# Altium PCB Evaluation Board.PcbDoc (part 13 of 22)
Units mm, origin at the board's own origin, x right, y up, seen from the top; angles counter-clockwise.
Board outline 200 x 200 mm, 4 copper layers (Top Layer, GND, Power, Bottom Layer), stack 1.56 mm thick; 639 components, 758 nets, 3043 pads, 1306 vias.
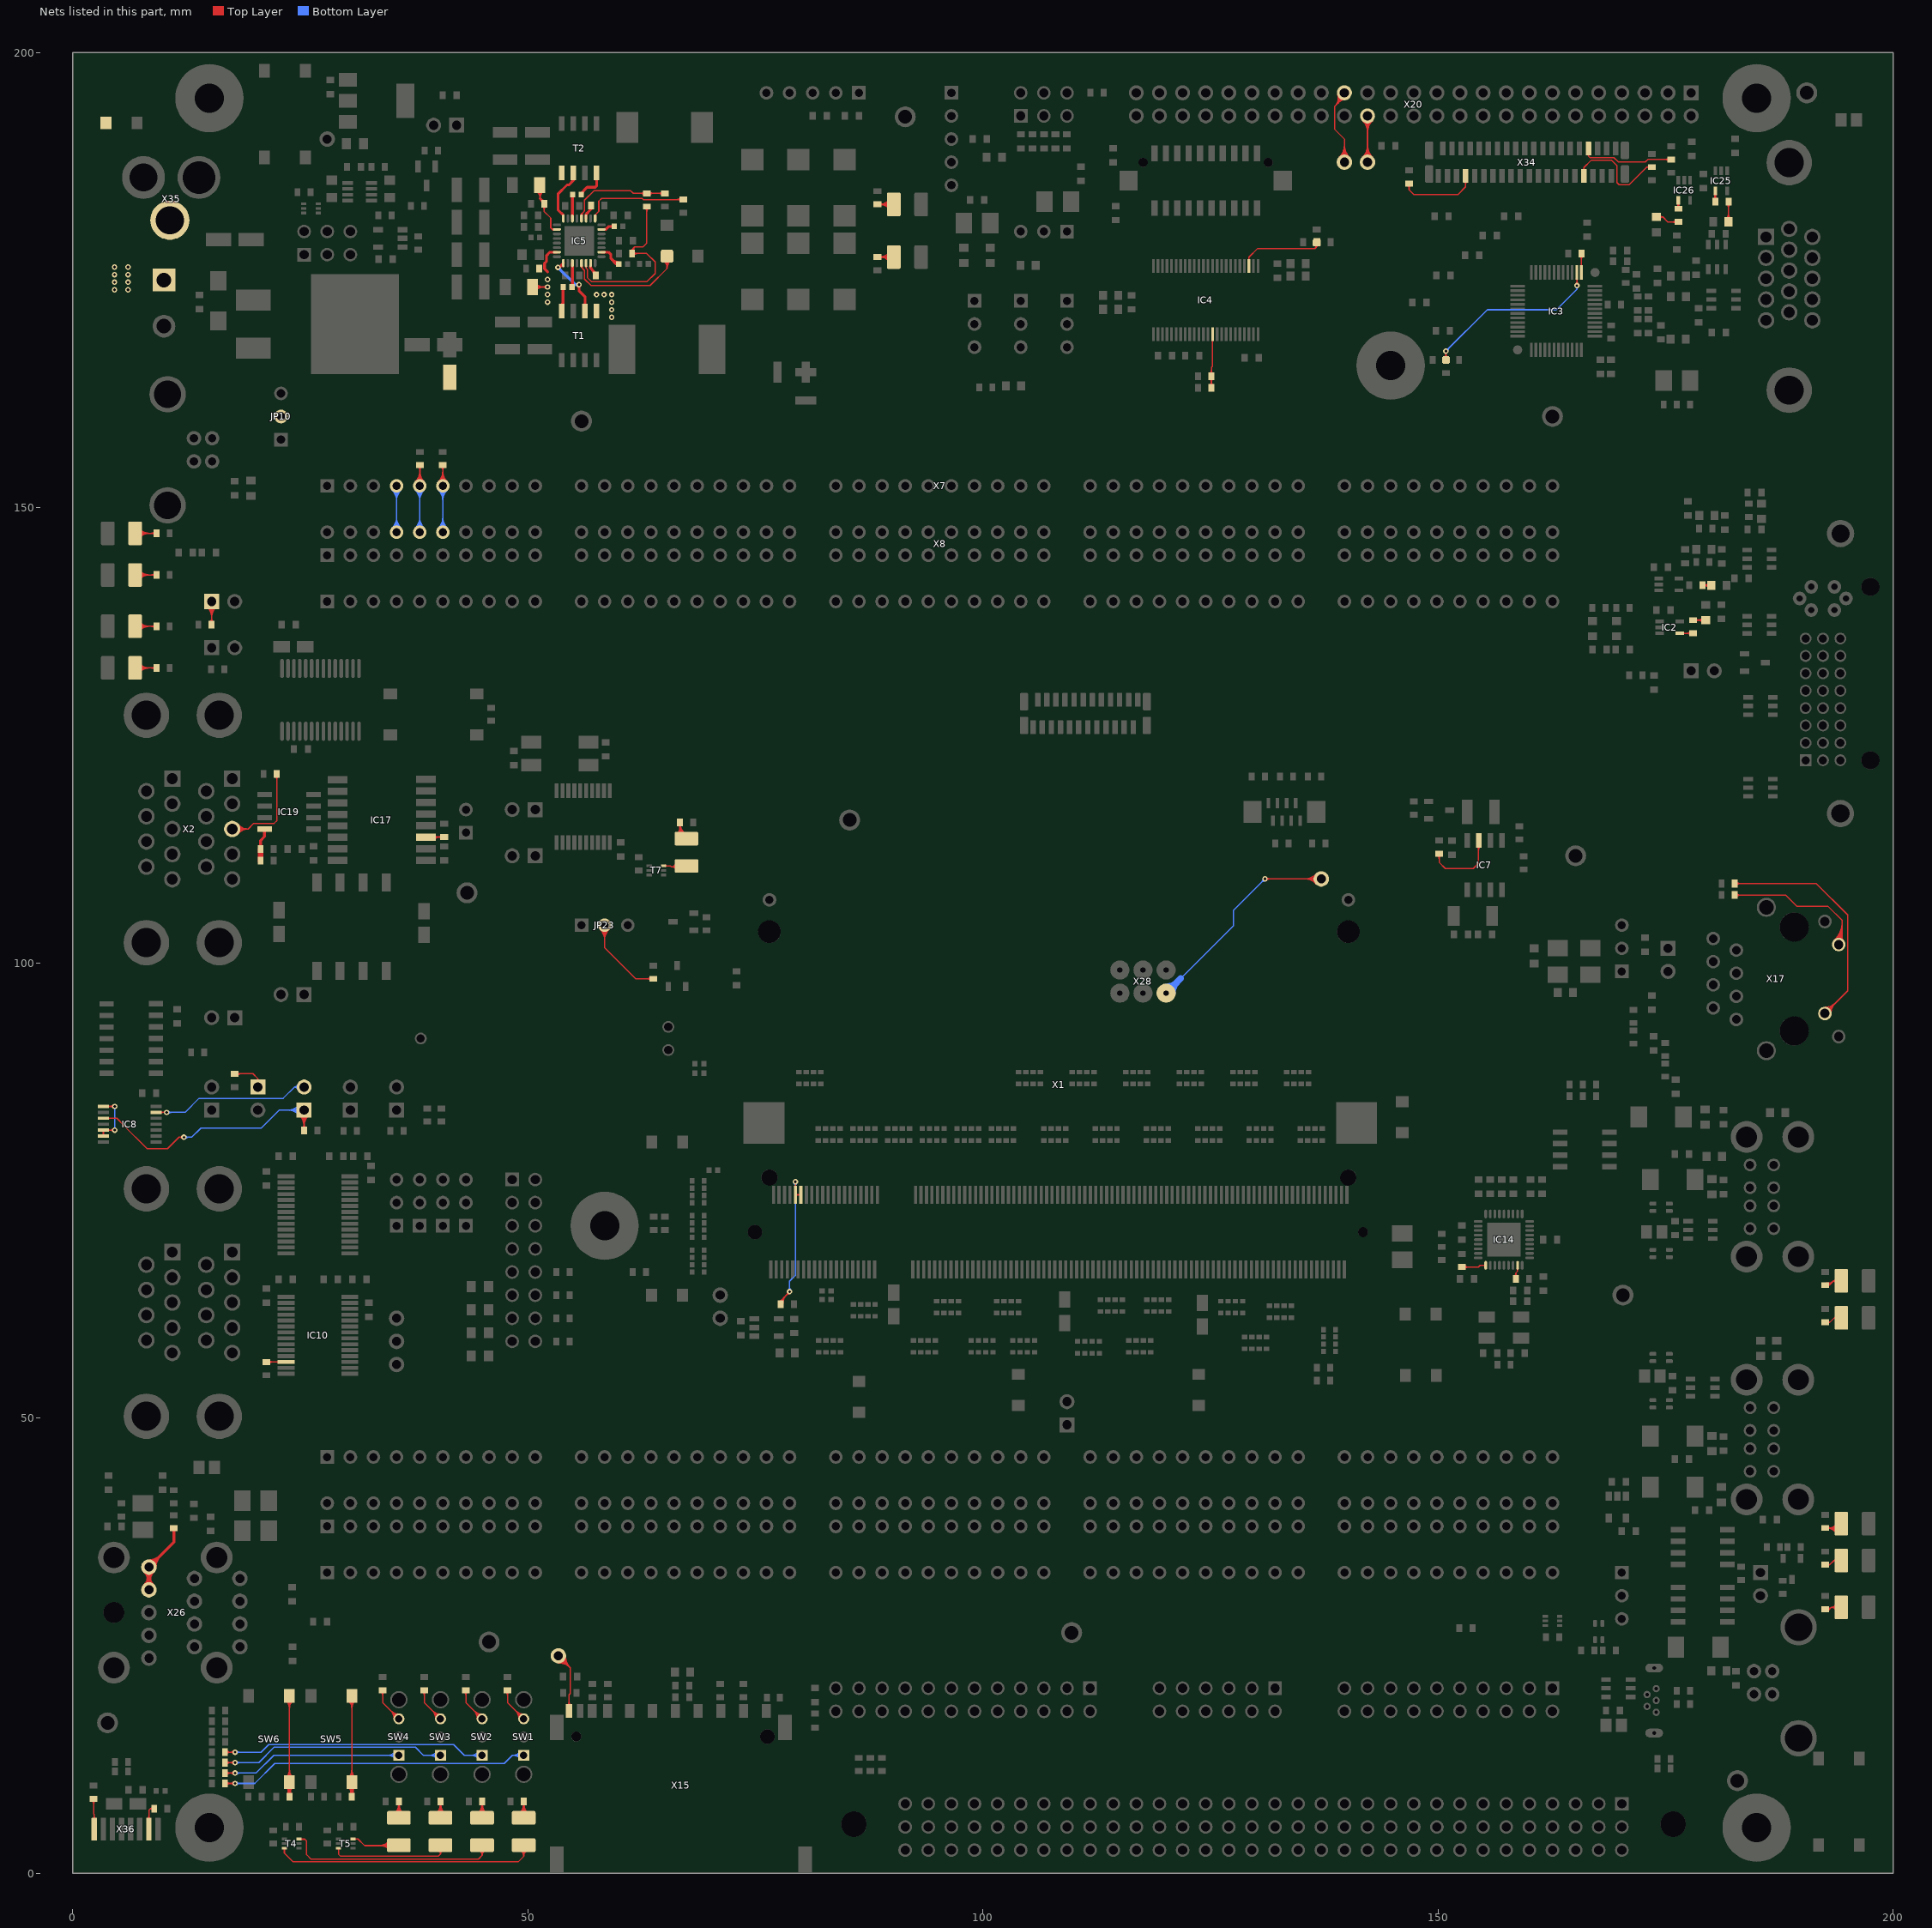
[diagram p15: the nets of this part, all layers, seen from the top]

## Via types
v1: diameter 0.6, hole 0.3, Top Layer to Bottom Layer, 1222 vias
v2: diameter 0.6, hole 0.3, Top Layer to Bottom Layer, tented both sides, 84 vias

## Nets (pads, with @x,y where several pads share a name; then routed paths per layer and width w, separated by ;. In a path a pad name is that pad's centre, name@x,y a point inside that pad or via, vN(x,y) a via of type N, cw(c..) or ccw(c..) an arc to the next point about the centre after c; other vN are vias at no path point) (continued)
NetIC2_4: IC2.4 R5.1 | length 2.9
  Top Layer w0.15: IC2.4@176.534,136.202 R5.1@177.99,136.202 ; IC2.4@176.897,136.113 cw(c177.111,135.9) 177.111,136.202 cw(c177.111,136.503) IC2.4@176.897,136.29 ; R5.1@177.713,136.025 ccw(c177.286,135.598) 177.286,136.202 ccw(c177.286,136.805) R5.1@177.713,136.378
NetIC3_37: IC3.37 R11.2 | length 3.3
  Top Layer w0.15: R11.2@165.562,177.665 cw(c165.135,177.239) 165.738,177.239 cw(c166.342,177.239) R11.2@165.915,177.665 ; IC3.37@165.678,176.545 ccw(c165.533,176.69) 165.738,176.69 ; IC3.37@165.731,175.842 165.738,175.849 R11.2@165.738,177.942 ; 165.738,176.656 ccw(c165.896,176.656) IC3.37@165.785,176.545
NetIC3_38: IC3.38 R12.2 R14.2 R185.2 | length 25.2
  Top Layer w0.15: R185.2@150.673,166.427 ccw(c150.246,166.854) 150.85,166.854 ccw(c151.454,166.854) R185.2@151.027,166.427 ; R185.2@150.85,166.333 v1(150.85,167.2) ; v2@165.091,174.559 ccw(c164.707,174.943) 165.25,174.943 ccw(c165.793,174.943) v2@165.409,174.559 ; IC3.38@165.178,175.139 cw(c165.006,174.966) 165.25,174.966 ; IC3.38@165.231,175.842 165.25,175.824 v2(165.25,174.4) ; v1@150.85,166.954 ccw(c151.454,166.954) 151.027,166.527 cw(c151.454,166.954) v1@150.85,166.954 ; v1@150.85,166.954 cw(c150.246,166.954) 150.673,166.527 ccw(c150.246,166.954) v1@150.85,166.954
  Bottom Layer w0.15: v1(150.85,167.2) 155.4,171.75 163,171.75 165.25,174 ; v1@150.85,167.425 ccw(c150.85,167.968) 151.234,167.584 ccw(c151.618,167.2) v1@151.075,167.2 ; v2@165.133,174.208 cw(c165.007,174) 165.25,174 ; v2(165.25,174.4) 165.25,174 ; v2@165.367,174.208 ccw(c165.493,174) 165.25,174
NetIC4_14: IC4.14 R27.1 R28.2 | length 9.1
  Top Layer w0.15: R27.1@124.912,163.446 ccw(c124.485,163.873) 125.089,163.873 ccw(c125.693,163.873) R27.1@125.266,163.446 ; R28.2@124.912,164.163 cw(c124.485,163.736) 125.089,163.736 cw(c125.693,163.736) R28.2@125.266,164.163 ; R28.2@124.912,164.716 ccw(c124.485,165.143) 125.089,165.143 ccw(c125.693,165.143) R28.2@125.266,164.716 ; R27.1@125.089,163.17 R28.2@125.089,164.44 125.089,165.399 125.21,165.52 IC4.14@125.21,169.046 ; IC4.14@125.157,168.393 cw(c125.029,168.265) 125.21,168.265 cw(c125.391,168.265) IC4.14@125.263,168.393
NetIC4_27: IC4.27 R29.2 R30.2 R186.2 | length 12.8
  Top Layer w0.15: IC4.27@129.157,177.199 ccw(c129.029,177.327) 129.21,177.327 ; IC4.27@129.21,176.546 129.21,177.521 130.167,178.477 131.358,178.477 131.36,178.475 136.463,178.475 136.715,178.727 ; 129.21,177.328 ccw(c129.392,177.328) IC4.27@129.263,177.199 ; 136.463,178.475 ccw(c136.208,178.73) R186.2@136.508,178.932 ; R186.2@136.479,179.091 ccw(c136.365,179.052) R186.2@136.365,179.172 ; R186.2@136.479,179.253 cw(c136.365,179.292) R186.2@136.365,179.172 ; 136.592,178.604 ccw(c136.362,178.834) R186.2@136.632,179.016 ; R186.2@136.609,178.822 cw(c136.606,178.712) 136.715,178.712 cw(c136.97,178.712) R186.2@136.791,178.894 ; R186.2@136.62,178.894 cw(c136.516,178.725) 136.715,178.725 cw(c136.863,178.725) R186.2@136.822,178.867 ; R186.2@136.637,178.834 cw(c136.602,178.727) 136.715,178.727 ; 136.721,178.733 ccw(c136.516,178.938) R186.2@136.756,179.1 ; R186.2@136.793,178.834 ccw(c136.828,178.727) 136.715,178.727 ; R186.2@136.365,179.172 R29.2@136.615,179.172 R30.2@136.715,179.172 136.715,178.727
NetIC5_2: IC5.2 R38.2 | length 3.5
  Top Layer w0.3: IC5.2@58.076,178.074 58.832,178.074 59.106,177.8 59.106,177.368 59.69,176.784 R38.2@59.972,176.784 ; 59.217,177.257 ccw(c59.972,178.011) R38.2@59.972,176.944
NetIC5_7: IC5.7 R43.2 | length 2.4
  Top Layer w0.3: IC5.7@58.076,180.574 58.566,180.574 58.892,180.9 R43.2@59.464,180.9 ; IC5.7@58.376,180.574 ccw(c58.376,181.033) 58.7,180.708 ; R43.2@59.369,180.805 ccw(c59.138,180.574) 59.138,180.9 ccw(c59.138,181.226) R43.2@59.369,180.995
NetIC5_9: IC5.9 R189.2 | length 12.8
  Top Layer w0.15: IC5.9@57.376,181.774 57.376,182.16 57.783,182.567 57.783,183.677 58.081,183.975 62.525,183.975 62.65,183.85 67.047,183.85 R189.2@67.056,183.859 ; IC5.9@57.451,182.074 cw(c57.839,182.074) 57.565,182.348 ; 66.331,183.85 ccw(c66.331,184.484) R189.2@66.779,184.036 ; 66.374,183.85 cw(c66.374,183.277) R189.2@66.779,183.682
NetIC5_11: IC5.11 R42.1 | length 2
  Top Layer w0.3: IC5.11@56.376,181.774 56.376,182.247 56.933,182.804 R42.1@56.933,183.209 ; IC5.11@56.376,182.074 cw(c56.795,182.074) 56.499,182.37
NetIC5_12: IC5.12 R39.2 R40.2 | length 15.3
  Top Layer w0.15: IC5.12@55.802,182.063 cw(c56.045,182.099) 55.871,182.273 ; IC5.12@55.823,182.127 ccw(c55.685,182.265) 55.88,182.265 ; IC5.12@55.876,181.774 55.88,181.778 55.88,182.282 56.082,182.484 ; 55.88,182.245 ccw(c56.047,182.245) IC5.12@55.929,182.127 ; IC5.12@55.95,182.085 cw(c56.413,182.153) 56.082,182.484 ; R39.2@62.773,184.358 ccw(c62.346,183.931) 62.346,184.535 ccw(c62.346,185.139) R39.2@62.773,184.712 ; R39.2@63.327,184.358 cw(c63.754,183.931) 63.754,184.535 cw(c63.754,185.139) R39.2@63.327,184.712 ; R40.2@64.747,184.358 ccw(c64.32,183.931) 64.32,184.535 ccw(c64.32,185.139) R40.2@64.747,184.712 ; R40.2@65.024,184.535 61.565,184.535 61.275,184.825 57.258,184.825 56.214,183.781 56.214,182.616 56.082,182.484
NetIC5_14: IC5.14 R41.1 | length 3.1
  Top Layer w0.3: R41.1@54.797,184.284 cw(c54.605,184.092) 54.876,184.092 ; IC5.14@54.876,181.787 R41.1@54.876,184.401 ; 54.876,184.014 cw(c55.257,184.014) R41.1@54.987,184.284 ; R41.1@54.889,184.401 R41.1@54.892,184.404
NetIC5_16: IC5.16 T2.2 | length 6.6
  Top Layer w0.3: IC5.16@53.876,181.774 53.876,182.141 53.289,182.728 53.289,184.457 54.296,185.464 54.502,185.464 54.991,185.953 ; T2.2@54.892,186.171 cw(c54.702,185.953) 54.991,185.953 ; T2.2@54.991,186.784 54.991,185.953 ; T2.2@55.09,186.171 ccw(c55.28,185.953) 54.991,185.953
NetIC5_18: IC5.18 R44.1 R157.1 T2.1 | length 11.5
  Top Layer w0.15: R44.1@50.957,184.734 cw(c50.342,183.962) 51.329,183.962 ; R44.1@51.05,184.852 cw(c50.59,184.273) 51.329,184.273 ; R44.1@51.206,185.342 R44.1@51.284,185.42 51.329,185.375 51.329,183.963 ; 51.329,183.986 cw(c52.443,183.986) R44.1@51.655,184.774 ; 51.329,184.348 cw(c52.081,184.348) R44.1@51.549,184.88 ; R157.1@51.602,183.111 cw(c51.175,182.684) 51.779,182.684 cw(c52.383,182.684) R157.1@51.956,183.111 ; R157.1@51.779,183.388 51.779,182.546 52.501,181.824 52.501,180.732 ; 52.676,180.557 ccw(c52.832,180.713) IC5.18@52.899,180.502 ; IC5.18@52.823,180.521 ccw(c52.695,180.393) 52.695,180.574 ccw(c52.695,180.755) IC5.18@52.823,180.627 ; IC5.18@52.853,180.646 cw(c52.748,180.979) 52.501,180.732 ; IC5.18@53.176,180.574 52.659,180.574 52.501,180.732
  Top Layer w0.3: 51.329,183.963 R157.1@51.779,183.513 ; 51.463,183.829 cw(c51.121,183.488) R157.1@51.604,183.488 ; R157.1@51.523,183.769 ccw(c51.779,184.025) R157.1@51.779,183.663
NetIC5_23: IC5.23 R37.1 R156.1 T1.1 | length 9.2
  Top Layer w0.15: R37.1@50.497,174.244 v1(52.146,174.244) ; R37.1@50.762,173.979 cw(c51.402,173.339) 51.402,174.244 cw(c51.402,175.149) R37.1@50.762,174.509 ; R37.1@50.868,173.873 cw(c51.764,172.977) 51.764,174.244 cw(c51.764,175.511) R37.1@50.868,174.615 ; v1@51.987,174.085 ccw(c51.603,173.701) 51.603,174.244 ccw(c51.603,174.787) v1@51.987,174.403
  Top Layer w0.3: 52.146,175.902 51.816,176.232 51.816,176.85 52.042,177.076 52.042,177.706 52.41,178.074 IC5.23@53.176,178.074
  other v1: 59.189,170.919 59.189,171.748 59.189,172.577 52.146,172.586 52.146,173.415 57.531,173.406 58.36,173.406 59.189,173.406 52.146,175.073
NetIC5_25: IC5.25 T1.2 | length 9.9
  Top Layer w0.15: v1(53.289,176.403) v1@53.405,176.403
  Top Layer w0.3: IC5.25@53.859,176.857 cw(c53.898,176.818) IC5.25@53.903,176.873 ; IC5.25@53.876,176.574 ccw(c53.823,175.985) 53.405,176.403 IC5.25@53.876,176.874 ; v1@55.495,174.392 cw(c55.238,174.136) 55.601,174.136 cw(c55.963,174.136) v1@55.707,174.392 ; v1(55.601,174.498) 55.601,173.838 56.261,173.177 T1.2@56.261,171.61 ; T1.2@56.155,172.216 ccw(c55.899,172.472) 56.261,172.472 ccw(c56.623,172.472) T1.2@56.367,172.216
  Bottom Layer w0.3: v1@53.289,176.253 cw(c53.289,175.891) 53.545,176.147 cw(c53.801,176.403) v1@53.439,176.403 ; v1(53.289,176.403) 55.194,174.498 v1(55.601,174.498) ; v1@55.495,174.392 ccw(c55.238,174.136) 55.238,174.498 ccw(c55.238,174.86) v1@55.495,174.604
NetIC5_27: IC5.27 R33.1 | length 3
  Top Layer w0.15: R33.1@54.836,174.244 R33.1@54.876,174.284
  Top Layer w0.3: R33.1@54.741,174.364 ccw(c54.414,174.691) 54.876,174.691 ; R33.1@54.876,174.284 IC5.27@54.876,176.874
NetIC5_29: IC5.29 R76.2 R190.2 | length 21
  Top Layer w0.15: IC5.29@55.801,176.574 ccw(c56.023,176.574) 55.866,176.417 ; IC5.29@55.826,176.518 cw(c55.728,176.407) 55.876,176.407 ; IC5.29@55.876,176.874 55.876,176.407 ; IC5.29@55.926,176.518 ccw(c56.024,176.407) 55.876,176.407 ; IC5.29@55.951,176.574 ccw(c56.535,176.574) 56.122,176.161 ; R190.2@64.907,177.253 cw(c64.011,176.357) 65.278,176.357 cw(c66.545,176.357) R190.2@65.649,177.253 ; R190.2@64.911,177.148 cw(c64.062,176.278) 65.278,176.278 ; R190.2@65.013,177.359 cw(c64.373,176.719) 65.278,176.719 cw(c66.183,176.719) R190.2@65.543,177.359 ; R190.2@65.016,177.256 cw(c64.409,176.634) 65.278,176.634 cw(c66.147,176.634) R190.2@65.54,177.256 ; R190.2@65.278,177.624 65.278,176.278 ; R190.2@65.645,177.148 ccw(c66.494,176.278) 65.278,176.278 ; 55.876,176.407 56.214,176.069 56.214,175.111 56.924,174.401 63.401,174.401 65.278,176.278
NetIC5_30: IC5.30 R35.1 R39.1 | length 23.8
  Top Layer w0.15: IC5.30@56.323,176.521 cw(c56.195,176.393) 56.376,176.393 cw(c56.557,176.393) IC5.30@56.429,176.521 ; IC5.30@56.376,176.874 56.376,176.331 56.514,176.193 56.514,175.286 56.975,174.825 63.065,174.825 63.975,175.735 63.975,176.994 63.038,177.931 R35.1@61.431,177.931 61.431,178.356 61.725,178.65 ; R35.1@61.387,178.008 cw(c61.653,178.151) 61.44,178.365 ; R35.1@61.519,178.079 cw(c61.839,178.251) 61.582,178.507 ; R35.1@61.608,177.755 cw(c62.035,177.328) 62.035,177.931 cw(c62.035,178.535) R35.1@61.608,178.108 ; R35.1@61.651,178.15 cw(c62.025,178.35) 61.725,178.65 ; R39.1@62.873,182.908 cw(c62.446,182.481) 63.05,182.481 cw(c63.654,182.481) R39.1@63.227,182.908 ; R39.1@63.05,183.085 63.05,179.075 62.625,178.65 61.725,178.65
NetIC5_31: IC5.31 R36.2 | length 2.9
  Top Layer w0.15: R36.2@57.441,175.514 R36.2@57.441,175.731
  Top Layer w0.3: IC5.31@56.876,176.874 56.876,176.362 56.889,176.349 ; 57.059,176.113 cw(c56.561,175.614) R36.2@57.266,175.614 ; 57.073,176.099 cw(c57.547,176.574) 56.876,176.574 ccw(c57.009,176.469) 56.889,176.349 ; R36.2@57.441,175.731 56.889,176.283 56.889,176.349
NetIC7_7: IC7.7 R47.1 | length 10.1
  Top Layer w0.15: R47.1@149.937,111.81 cw(c149.51,111.383) 150.114,111.383 cw(c150.718,111.383) R47.1@150.291,111.81 ; R47.1@150.114,111.986 150.114,111.049 150.8,110.363 153.848,110.363 154.432,110.947 154.432,113.411 IC7.7@154.457,113.436 ; IC7.7@154.298,112.777 cw(c153.976,112.455) 154.432,112.455 ; 154.432,112.332 cw(c155.062,112.332) IC7.7@154.616,112.777
NetIC8_1: IC8.1 IC8.5 IC8.6 | length 9.1
  Top Layer w0.15: IC8.6@3.27,81.049 ccw(c3.09,81.228) 3.344,81.228 ccw(c3.597,81.228) IC8.6@3.418,81.049 ; IC8.5@3.27,81.551 cw(c3.09,81.371) 3.344,81.371 cw(c3.597,81.371) IC8.5@3.418,81.551 ; IC8.6@3.344,80.975 IC8.5@3.344,81.625 v1(4.597,81.625) ; IC8.1@3.344,84.225 v1(4.597,84.225) ; IC8.5@3.868,81.551 cw(c4.047,81.371) 4.047,81.625 cw(c4.047,81.878) IC8.5@3.868,81.699 ; IC8.1@3.868,84.151 cw(c4.047,83.971) 4.047,84.225 cw(c4.047,84.478) IC8.1@3.868,84.299 ; v1@4.438,81.466 ccw(c4.054,81.082) 4.054,81.625 ccw(c4.054,82.168) v1@4.438,81.784 ; v1@4.438,84.066 ccw(c4.054,83.682) 4.054,84.225 ccw(c4.054,84.768) v1@4.438,84.384
  Bottom Layer w0.15: v1(4.597,81.625) v1(4.597,84.225)
NetIC8_3: IC8.3 JP11.1 R172.2 | length 44.1
  Top Layer w0.15: IC8.3@3.344,82.925 4.825,82.925 5.525,82.225 5.525,82.2 8.15,79.575 10.389,79.575 11.664,80.85 ; IC8.3@3.868,82.851 cw(c4.047,82.671) 4.047,82.925 cw(c4.047,83.178) IC8.3@3.868,82.999 ; v1@12.039,80.692 ccw(c11.664,80.325) 11.664,80.85 ; v1@12.039,81.008 cw(c11.664,81.375) 11.664,80.85 ; v1(12.2,80.85) 11.664,80.85 ; JP11.1@24.87,83.29 cw(c23.589,82.009) 25.4,82.009 cw(c27.211,82.009) JP11.1@25.93,83.29 ; JP11.1@24.976,83.396 cw(c23.951,82.371) 25.4,82.371 cw(c26.849,82.371) JP11.1@25.824,83.396 ; JP11.1@25.082,83.502 cw(c24.314,82.734) 25.4,82.734 cw(c26.486,82.734) JP11.1@25.718,83.502 ; R172.2@25.223,81.883 ccw(c24.796,82.31) 25.4,82.31 ccw(c26.004,82.31) R172.2@25.577,81.883 ; R172.2@25.4,81.606 JP11.1@25.4,83.82
  Bottom Layer w0.15: v1(12.2,80.85) 13.057,80.85 14.057,81.85 20.7,81.85 22.67,83.82 JP11.1@25.4,83.82 ; v1@12.359,80.691 cw(c12.743,80.307) 12.743,80.85 cw(c12.743,81.393) v1@12.359,81.009 ; JP11.1@24.87,83.29 ccw(c23.589,82.009) 23.589,83.82 ccw(c23.589,85.631) JP11.1@24.87,84.35 ; JP11.1@24.976,83.396 ccw(c23.951,82.371) 23.951,83.82 ccw(c23.951,85.269) JP11.1@24.976,84.244 ; JP11.1@25.082,83.502 ccw(c24.314,82.734) 24.314,83.82 ccw(c24.314,84.906) JP11.1@25.082,84.138
NetIC8_13: IC8.13 JP11.2 | length 20.3
  Top Layer w0.15: IC8.13@9.144,83.575 v1(10.3,83.575) ; IC8.13@9.668,83.501 cw(c9.847,83.321) 9.847,83.575 cw(c9.847,83.828) IC8.13@9.668,83.649
  Bottom Layer w0.15: v1(10.3,83.575) 12.325,83.575 13.866,85.115 23.1,85.115 24.345,86.36 ; v1@10.459,83.416 cw(c10.843,83.032) 10.843,83.575 cw(c10.843,84.118) v1@10.459,83.734 ; JP11.2@24.692,86.114 ccw(c24.345,85.993) 24.345,86.36 ; JP11.2@24.692,86.606 cw(c24.345,86.727) 24.345,86.36 ; JP11.2@24.833,86.163 ccw(c24.556,86.066) 24.556,86.36 ccw(c24.556,86.654) JP11.2@24.833,86.557 ; JP11.2@25.4,86.36 24.345,86.36
NetIC10_12: IC10.12 R63.2 | length 3.7
  Top Layer w0.15: R63.2@21.247,56.156 IC10.12@23.419,56.156 ; R63.2@21.524,55.979 cw(c21.95,55.552) 21.95,56.156 cw(c21.95,56.759) R63.2@21.524,56.333 ; IC10.12@22.613,56.05 ccw(c22.357,55.794) 22.357,56.156 ccw(c22.357,56.518) IC10.12@22.613,56.262
NetIC14_28: IC14.28 R87.2 | length 3.9
  Top Layer w0.15: R87.2@152.612,66.585 154.418,66.585 154.603,66.77 IC14.28@155.227,66.77 ; R87.2@152.889,66.408 cw(c153.316,65.981) 153.316,66.585 cw(c153.316,67.189) R87.2@152.889,66.762 ; IC14.28@155.174,66.717 ccw(c155.046,66.589) 155.046,66.77 ccw(c155.046,66.951) IC14.28@155.174,66.823
NetIC14_35: IC14.35 R86.2 | length 2.7
  Top Layer w0.15: R86.2@158.365,65.55 ccw(c158.012,65.934) 158.534,65.934 ; R86.2@158.534,65.266 158.534,65.934 ; IC14.35@158.674,66.392 cw(c158.546,66.264) 158.727,66.264 cw(c158.908,66.264) IC14.35@158.78,66.392 ; R86.2@158.703,65.55 cw(c159.056,65.934) 158.534,65.934 ; IC14.35@158.727,66.77 158.727,66.127 158.534,65.934
NetIC17_3: IC17.3 R108.1 | length 4.6
  Top Layer w0.15: IC17.3@38.783,113.802 38.81,113.829 R108.1@40.791,113.829 ; IC17.3@39.606,113.678 cw(c39.97,113.314) 39.97,113.829 ; IC17.3@39.713,113.572 cw(c40.332,112.952) 40.332,113.829 ; IC17.3@39.713,114.032 ccw(c40.202,114.522) 40.202,113.829 ; R108.1@40.514,113.652 ccw(c40.087,113.225) 40.087,113.829 ccw(c40.087,114.433) R108.1@40.514,114.006
NetIC19_8: IC19.8 R106.1 R107.2 | length 5
  Top Layer w0.15: R106.1@20.545,112.408 R106.1@20.567,112.385
  Top Layer w0.3: R106.1@20.493,112.729 ccw(c20.195,113.027) 20.617,113.027 ccw(c21.04,113.027) R106.1@20.741,112.729 ; R106.1@20.617,112.505 20.617,113.442 21.047,113.872 IC19.8@21.047,114.681 ; IC19.8@20.941,114.575 cw(c20.685,114.319) 21.047,114.319 cw(c21.409,114.319) IC19.8@21.153,114.575
  Top Layer w0.6: R107.2@20.617,111.15 R107.2@20.617,111.235 R106.1@20.617,112.505
NetIC25_4: IC25.4 R175.1 | length 3.3
  Top Layer w0.15: R175.1@180.275,183.919 ccw(c179.848,184.346) 180.452,184.346 ccw(c181.056,184.346) R175.1@180.629,183.919 ; IC25.4@180.345,184.462 cw(c179.967,184.236) 180.392,184.122 ; IC25.4@180.364,184.438 cw(c180.15,184.224) 180.452,184.224 cw(c180.754,184.224) IC25.4@180.54,184.438 ; R175.1@180.452,183.642 IC25.4@180.452,184.801 ; 180.512,184.122 cw(c180.937,184.236) IC25.4@180.559,184.462
NetIC26_4: IC26.4 R176.1 | length 2.4
  Top Layer w0.15: R176.1@176.211,183.02 ccw(c175.784,183.447) 176.388,183.447 ccw(c176.992,183.447) R176.1@176.565,183.02 ; IC26.4@176.3,183.422 cw(c176.086,183.208) 176.388,183.208 cw(c176.69,183.208) IC26.4@176.476,183.422 ; R176.1@176.388,182.843 IC26.4@176.388,183.785
NetJP10_2: JP10.2 L18.1
NetJP12_1: JP12.1 R61.2 | length 5.2
  Top Layer w0.15: R61.2@17.78,87.81 17.795,87.825 19.78,87.825 20.32,87.285 ; R61.2@18.057,87.633 cw(c18.52,87.17) 18.52,87.825 ; R61.2@18.057,87.987 ccw(c18.447,88.377) 18.447,87.825 ; JP12.1@20.165,87.094 ccw(c20.125,87.285) 20.32,87.285 ; JP12.1@20.32,86.36 20.32,87.285 ; JP12.1@20.475,87.094 cw(c20.515,87.285) 20.32,87.285
NetJP14_1: JP14.1 R62.1 | length 10.3
  Top Layer w0.15: JP14.1@14.71,139.17 cw(c13.429,137.889) 15.24,137.889 cw(c17.051,137.889) JP14.1@15.77,139.17 ; JP14.1@14.816,139.276 cw(c13.791,138.251) 15.24,138.251 cw(c16.689,138.251) JP14.1@15.664,139.276 ; JP14.1@14.922,139.382 cw(c14.154,138.614) 15.24,138.614 cw(c16.326,138.614) JP14.1@15.558,139.382 ; R62.1@15.063,137.437 ccw(c14.636,137.864) 15.24,137.864 ccw(c15.844,137.864) R62.1@15.417,137.437 ; R62.1@15.24,137.16 JP14.1@15.24,139.7
NetJP23_2: JP23.2 R49.2 | length 16.1
  Top Layer w0.15: JP23.2@57.943,103.663 cw(c56.79,102.51) 58.42,102.51 cw(c60.05,102.51) JP23.2@58.897,103.663 ; JP23.2@58.049,103.769 cw(c57.153,102.873) 58.42,102.873 cw(c59.687,102.873) JP23.2@58.791,103.769 ; JP23.2@58.155,103.875 cw(c57.515,103.235) 58.42,103.235 cw(c59.325,103.235) JP23.2@58.685,103.875 ; JP23.2@58.42,104.14 58.42,101.676 61.844,98.252 R49.2@63.754,98.252 ; R49.2@63.477,98.075 ccw(c63.05,97.648) 63.05,98.252 ccw(c63.05,98.856) R49.2@63.477,98.429
NetL1_1: L1.1 R4.2 | length 4.1
  Top Layer w0.15: R4.2@179.033,141.478 L1.1@180.008,141.478 ; R4.2@179.21,141.301 cw(c179.637,140.874) 179.637,141.478 cw(c179.637,142.082) R4.2@179.21,141.655 ; L1.1@179.753,141.223 ccw(c179.139,140.609) 179.139,141.478 ccw(c179.139,142.347) L1.1@179.753,141.733 ; L1.1@179.86,141.33 ccw(c179.501,140.971) 179.501,141.478 ccw(c179.501,141.985) L1.1@179.86,141.626
NetL2_1: L2.1 R5.2 | length 4.5
  Top Layer w0.15: R5.2@177.99,137.652 L2.1@179.395,137.652 ; R5.2@178.267,137.475 cw(c178.694,137.048) 178.694,137.652 cw(c178.694,138.255) R5.2@178.267,137.828 ; L2.1@179.075,137.397 ccw(c178.461,136.782) 178.461,137.652 ccw(c178.461,138.521) L2.1@179.075,137.906 ; L2.1@179.182,137.503 ccw(c178.823,137.145) 178.823,137.652 ccw(c178.823,138.158) L2.1@179.182,137.8
NetL48_1: L48.1 R175.2 | length 5.4
  Top Layer w0.15: L48.1@181.647,181.726 ccw(c181.033,182.34) 181.902,182.34 ccw(c182.771,182.34) L48.1@182.157,181.726 ; R175.2@181.725,183.365 cw(c181.298,182.938) 181.902,182.938 cw(c182.506,182.938) R175.2@182.079,183.365 ; L48.1@181.754,181.619 ccw(c181.395,181.978) 181.902,181.978 ccw(c182.409,181.978) L48.1@182.05,181.619 ; L48.1@181.902,181.356 R175.2@181.902,183.642
NetL49_1: L49.1 R176.2 | length 4.3
  Top Layer w0.15: L49.1@173.99,181.942 174.683,181.942 ; L49.1@174.366,181.76 cw(c174.683,181.574) 174.683,181.942 ; L49.1@174.366,182.124 ccw(c174.683,182.31) 174.683,181.942 ; R176.2@176.111,181.216 ccw(c175.684,180.789) 175.684,181.393 ccw(c175.684,181.997) R176.2@176.111,181.57 ; R176.2@176.388,181.393 175.232,181.393 174.683,181.942
NetLED1_A: LED1.A R118.1 | length 8.7
  Top Layer w0.15: LED1.A@49.053,6.549 ccw(c47.9,7.702) 49.53,7.702 ccw(c51.16,7.702) LED1.A@50.007,6.549 ; LED1.A@49.159,6.443 ccw(c48.263,7.339) 49.53,7.339 ccw(c50.797,7.339) LED1.A@49.901,6.443 ; LED1.A@49.265,6.337 ccw(c48.625,6.977) 49.53,6.977 ccw(c50.435,6.977) LED1.A@49.795,6.337 ; R118.1@49.353,7.597 cw(c48.926,7.17) 49.53,7.17 cw(c50.134,7.17) R118.1@49.707,7.597 ; LED1.A@49.53,6.072 R118.1@49.53,7.874
NetLED1_K: LED1.K T4.6 | length 31.7
  Top Layer w0.15: T4.6@23.185,2.698 cw(c23.057,2.57) 23.238,2.57 cw(c23.419,2.57) T4.6@23.291,2.698 ; T4.6@23.238,2.751 23.238,2.212 24.206,1.245 48.92,1.245 49.53,1.854 ; LED1.K@49.172,2.5 cw(c48.769,1.854) 49.53,1.854 ; LED1.K@49.252,2.627 cw(c48.938,2.125) 49.53,2.125 cw(c50.122,2.125) LED1.K@49.808,2.627 ; LED1.K@49.53,3.072 49.53,1.854 ; LED1.K@49.888,2.5 ccw(c50.291,1.854) 49.53,1.854
NetLED2_A: LED2.A R120.1 | length 8.7
  Top Layer w0.15: LED2.A@44.481,6.549 ccw(c43.328,7.702) 44.958,7.702 ccw(c46.588,7.702) LED2.A@45.435,6.549 ; LED2.A@44.587,6.443 ccw(c43.691,7.339) 44.958,7.339 ccw(c46.225,7.339) LED2.A@45.329,6.443 ; LED2.A@44.693,6.337 ccw(c44.053,6.977) 44.958,6.977 ccw(c45.863,6.977) LED2.A@45.223,6.337 ; R120.1@44.781,7.597 cw(c44.354,7.17) 44.958,7.17 cw(c45.562,7.17) R120.1@45.135,7.597 ; LED2.A@44.958,6.072 R120.1@44.958,7.874